# KiCad board arena_12-12_v8_ni.kicad_pcb (continued)
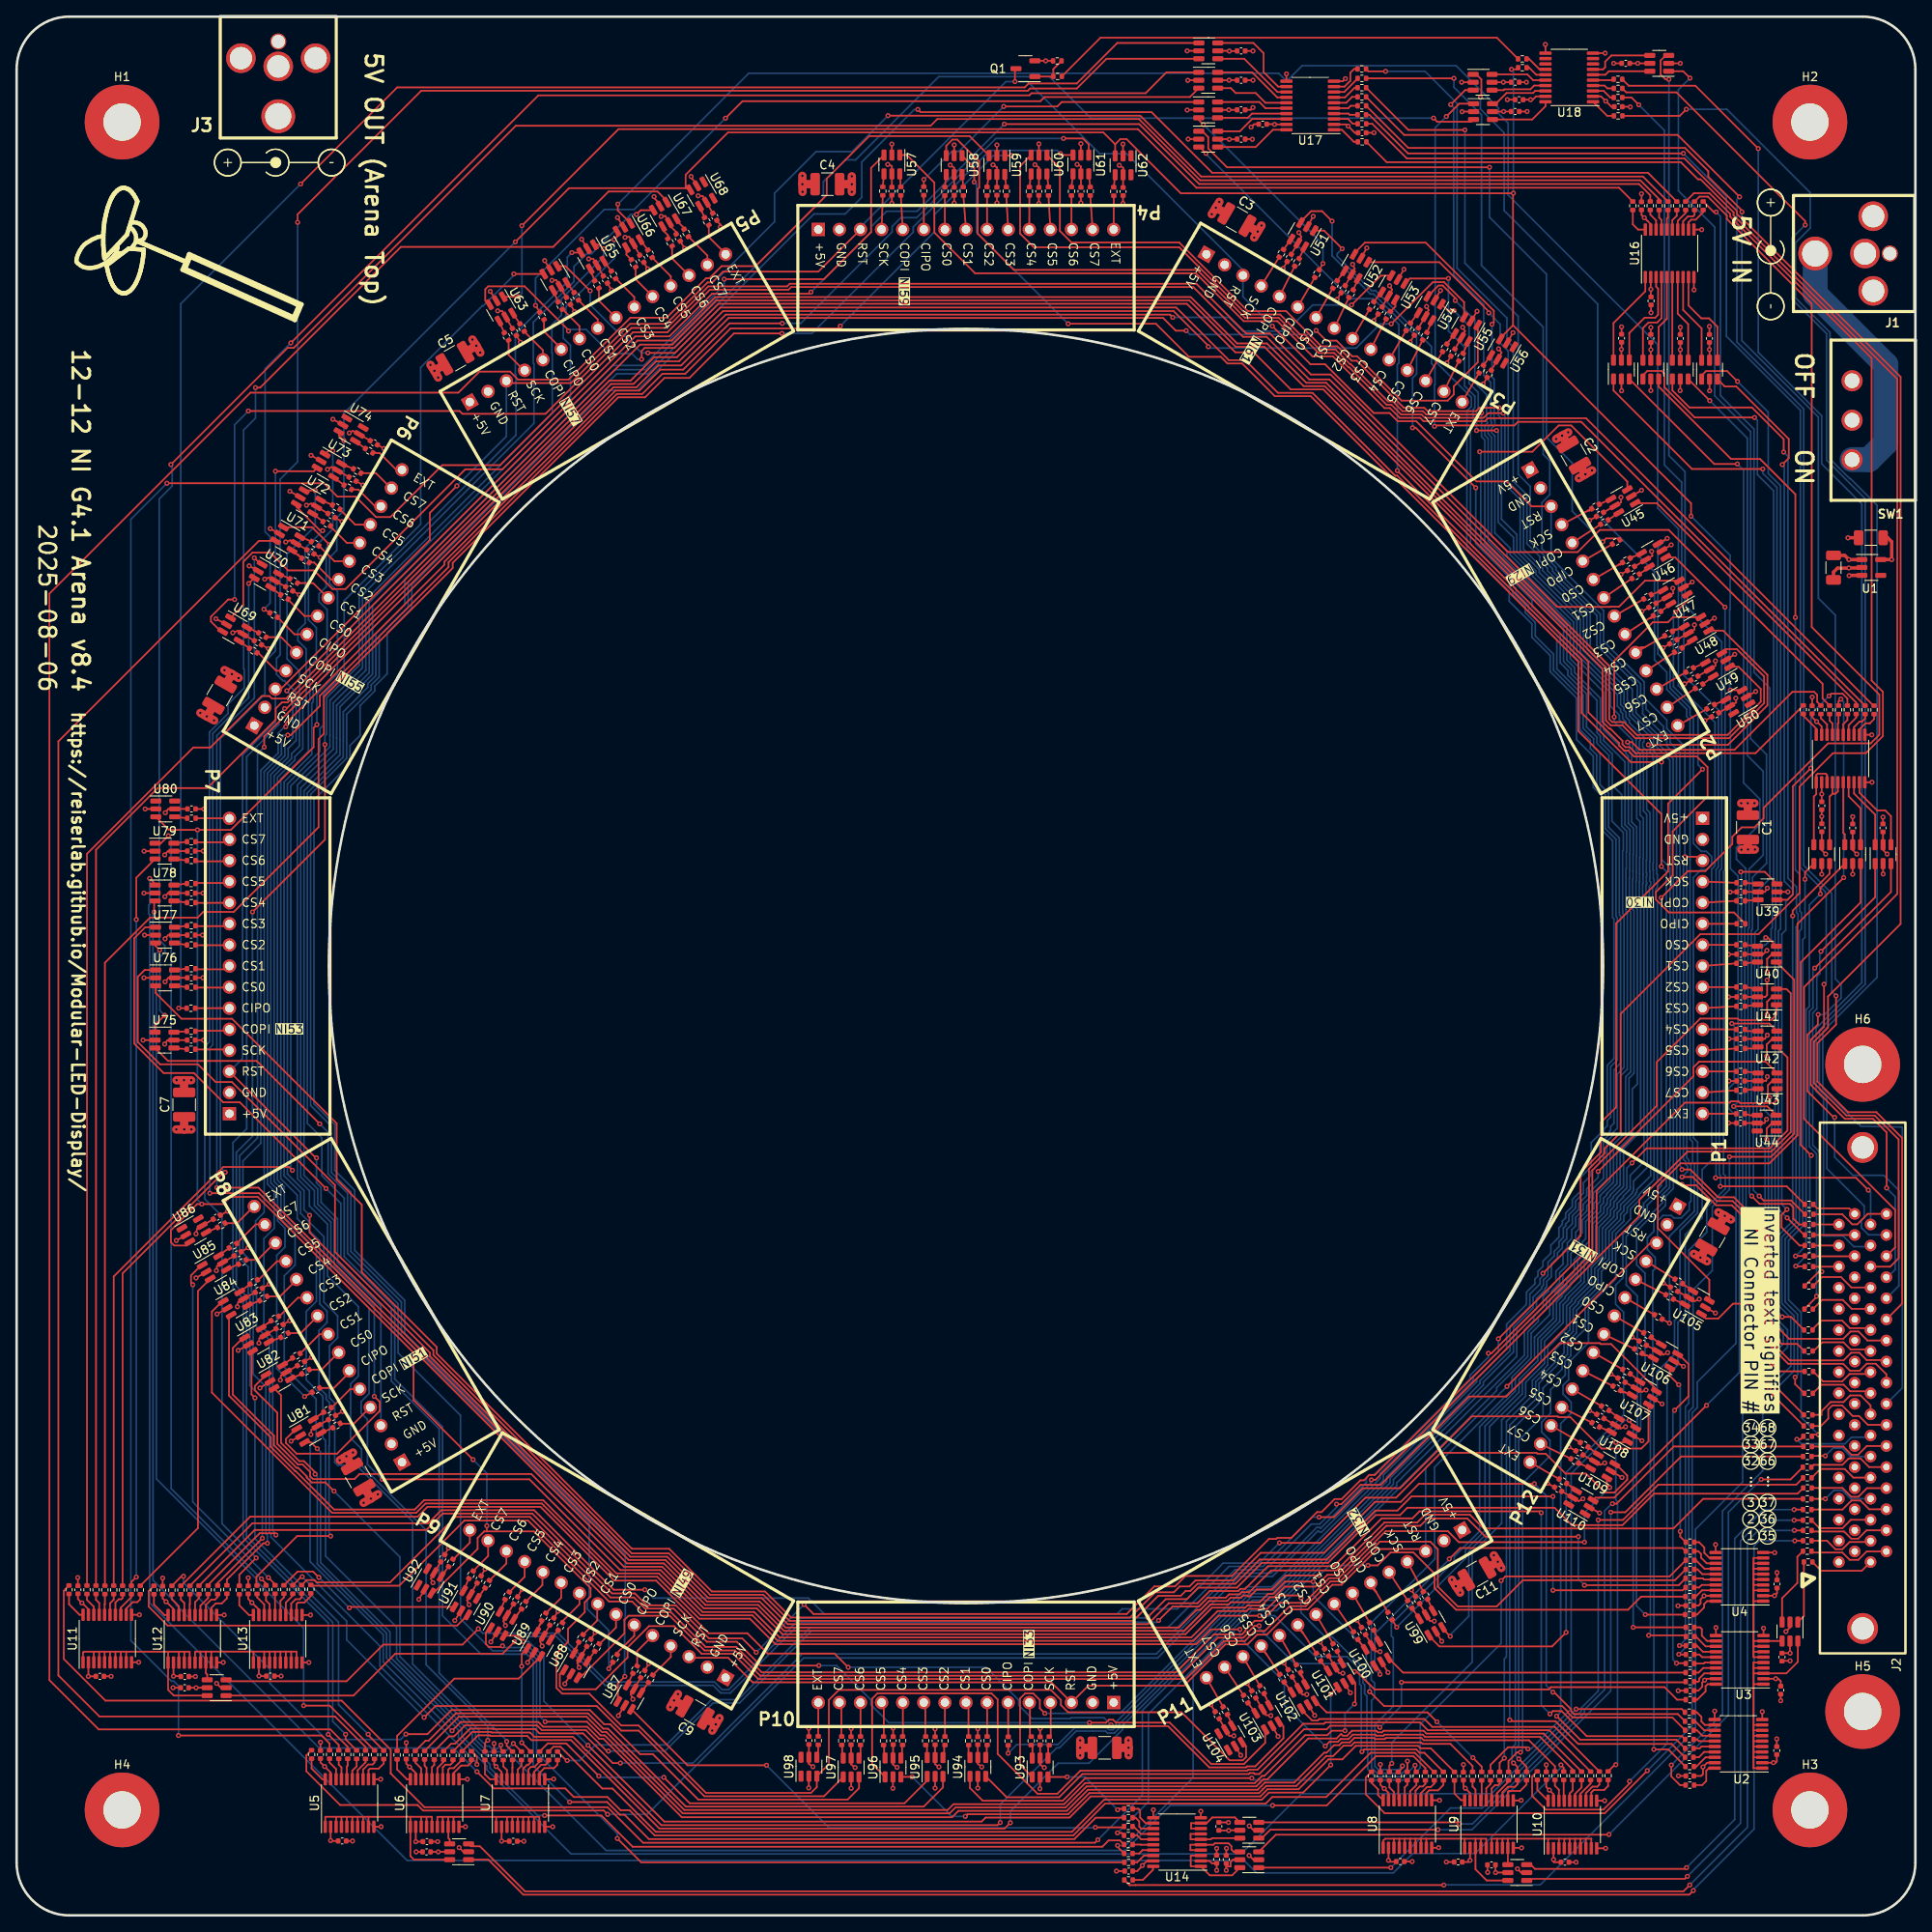
[diagram p0: board, top side]
## Routing (per net, layer and track width the routed paths; a pad name or vN(x,y) marks a point on that pad's centre or on a via; arc(x,y) is an arc through that point) (continued)
/Level Shifters/PAN5V.CS_5_P02: length 161.7
  Top w0.2: v1(181.05,19.64) 180.67,19.64 179.62,18.59 R90.1 ; U48.1 205.45,154.68 210.79,149.34 210.79,145.69 206.03,140.93 v1(196.45,140.93)
  Bottom w0.2: v1(181.05,19.64) 181.31,19.9 181.31,52.02 184.61,55.32 184.61,57.19 183.61,58.19 183.61,59.38 184.68,60.46 184.68,63.3 186.45,65.06 186.45,66.72 187.12,67.39 187.12,68.88 188.84,70.61 188.84,73.51 190.8,75.47 190.8,77.52 192.12,78.84 192.12,82.22 193.5,83.6 193.5,84.25 193.9,84.65 193.9,85.22 195.31,86.63 195.31,86.77 197.13,88.59 197.13,121.96 196.99,122.1 196.99,122.41 196.97,122.43 196.97,123.71 197.13,123.87 197.13,124.72 197.05,124.79 197.05,125.84 197.01,125.87 197.01,126.71 197.05,126.74 197.05,138.41 197.03,138.43 197.03,139.26 197.05,139.29 197.05,139.65 196.66,140.04 196.66,140.72 v1(196.45,140.93)
/Level Shifters/PAN5V.CS_5_P03: length 196.2
  Top w0.2: v1(178.17,178.77) v1(175.76,178.77) ; v1(180.22,18.34) 180.69,17.88 R91.1 ; U54.1 172.32,193.2 v1(173.04,193.2)
  Bottom w0.2: v1(175.76,178.77) 175.76,178.77 175.76,181.15 175.96,181.35 175.96,183.35 174.86,184.45 174.86,191.38 v1(173.04,193.2) ; v1(180.22,18.34) 180.05,18.51 180.05,20.2 180.44,20.59 180.44,58.87 183.29,61.72 183.29,64.07 185.64,66.42 185.64,67.05 186.31,67.72 186.31,69.22 187.4,70.3 187.4,73.01 188.04,73.65 188.04,73.84 189.99,75.8 189.99,77.86 191.31,79.18 191.31,82.55 192.7,83.93 192.7,84.58 193.1,84.99 193.1,85.55 194.51,86.96 194.51,87.1 194.66,87.26 194.66,87.54 194.66,88.39 196.33,90.06 196.33,121.63 196.19,121.77 196.19,122.08 196.17,122.1 196.17,124.04 196.25,124.13 196.25,124.34 196.21,124.38 196.21,125.05 196.25,125.09 196.25,125.5 196.21,125.54 196.21,127.04 196.25,127.08 196.25,132.58 195.86,132.97 195.86,140.03 195.37,140.51 195.37,141.34 195.48,141.45 195.48,141.54 195.46,141.56 195.46,141.73 194.84,142.34 194.84,142.34 193.76,143.41 193.76,143.7 193.36,144.1 193.36,144.68 193.11,144.92 193.11,145.2 192.71,145.61 192.71,146.98 187.85,151.85 187.85,155.9 182.52,161.23 182.52,161.69 181.77,162.43 181.77,162.44 180.22,163.99 180.22,165.88 178.37,167.73 178.37,178.57 v1(178.17,178.77)
/Level Shifters/PAN5V.CS_5_P04: length 251.3
  Top w0.2: U60.1 125.6,210.36 125.6,202.8 127,201.41 139.96,201.41 148.22,193.14 152.84,193.14 157.08,188.91 159,188.91 160.74,187.17 161.35,187.17 167.02,181.5 169.48,181.5 169.88,181.1 175.72,181.1 176.12,181.5 v1(178.48,181.5) ; v1(180.85,18.84) 181.78,17.91 R92.1
  Bottom w0.2: v1(178.48,181.5) 178.37,181.39 178.37,180.61 178.77,180.21 178.77,168.09 180.62,166.24 180.62,164.15 182.17,162.6 182.17,162.6 182.92,161.86 182.92,161.43 188.25,156.1 188.25,152.08 193.11,147.21 193.11,145.77 193.51,145.37 193.51,145.09 193.76,144.84 193.76,144.27 194.16,143.86 194.16,143.59 195.91,141.84 195.91,141.32 195.78,141.18 195.78,140.68 196.26,140.2 196.26,133.14 196.65,132.75 196.65,126.91 196.61,126.87 196.61,125.71 196.65,125.67 196.65,124.93 196.61,124.88 196.61,124.55 196.73,124.43 196.73,124.04 196.57,123.88 196.57,122.27 196.59,122.25 196.59,121.94 196.73,121.8 196.73,89.04 195.07,87.37 195.07,87.09 194.91,86.94 194.91,86.8 193.5,85.39 193.5,84.82 193.1,84.42 193.1,83.77 191.71,82.38 191.71,79.01 190.4,77.69 190.4,75.63 188.44,73.67 188.44,73.49 187.8,72.85 187.8,70.14 186.71,69.05 186.71,67.55 186.05,66.89 186.05,65.75 183.77,63.47 183.77,60.12 180.84,57.2 180.84,20.42 180.45,20.03 180.45,19.25 v1(180.85,18.84)
/Level Shifters/PAN5V.CS_5_P05: length 352.4
  Top w0.2: R93.1 182.46,16.7 182.46,14.39 184.11,12.74 191.04,12.74 194.19,15.88 v1(194.19,16.15) ; U66.1 72.38,205.25 v1(72.38,206.02)
  Bottom w0.2: v1(194.19,16.15) 198.7,20.66 198.7,64.98 200,66.28 200,71.38 200.89,72.27 200.89,81.96 202.93,84 202.93,89.78 204.08,90.93 204.08,125.98 204.48,126.38 204.48,143.64 200.07,148.05 200.07,156.39 200.32,156.65 200.32,157.15 200.07,157.4 200.07,166.93 197.57,169.43 197.57,189.12 179.57,207.13 179.57,215.78 178.42,216.93 178.42,217.57 173.3,222.69 154.77,222.69 153.17,221.1 152.63,221.1 151.95,221.78 88.14,221.78 v1(72.38,206.02)
/Level Shifters/PAN5V.CS_5_P06: length 308.6
  Top w0.2: R94.1 185.21,17.96 182.07,21.09 169.41,21.09 169.13,21.36 164.84,21.36 164.71,21.23 163.55,21.23 163.42,21.36 161.04,21.36 160.51,20.83 159.57,20.83 159.24,20.49 158.62,20.49 157.71,19.59 157.42,19.59 153.82,15.99 150.27,15.99 149.87,15.58 149.41,15.13 128.98,15.13 126.44,12.58 113.38,12.58 112.62,11.82 80.09,11.82 70.63,21.27 70.13,21.27 68.69,22.71 63.38,22.71 63.03,23.07 62.81,23.29 53.48,23.29 v1(52.42,22.23) ; U72.1 v1(35.96,171.55)
  Bottom w0.2: v1(35.96,171.55) 35.96,167.28 32.56,163.88 32.56,151.27 34.05,149.77 34.05,140.8 33.1,139.84 33.1,139.27 31,137.18 31,88.37 31.82,87.55 31.82,83.87 33.53,82.17 33.53,78.31 32.22,77 32.22,66 36.06,62.16 36.06,57.29 35.34,56.58 35.34,42.59 44.14,33.79 44.14,30.51 v1(52.42,22.23)
/Level Shifters/PAN5V.CS_5_P07: length 278.1
  Top w0.2: v1(185.91,18.12) 186.25,17.78 R95.1 ; 16.67,124.19 v1(16.02,124.84)
  Bottom w0.2: v1(185.91,18.12) 185.91,17.78 175.58,7.45 168.08,7.45 165.74,5.11 149.28,5.11 147.78,6.61 47.02,6.61 16.02,37.61 16.02,120.49 15.91,120.6 15.91,121.62 16.02,121.73 v1(16.02,124.84)
/Level Shifters/PAN5V.CS_5_P08: length 200.3
  Top w0.2: R96.1 187.34,17.56 183.41,21.49 169.57,21.49 169.3,21.76 164.67,21.76 164.54,21.63 163.71,21.63 163.58,21.76 160.88,21.76 160.34,21.23 159.51,21.23 159.5,21.24 159.42,21.24 159.07,20.89 158.06,20.89 v1(157.55,20.38) ; 24.74,73.92 23.51,72.69 23.51,62.94 37.99,48.46 48.1,48.46 49.23,49.59 63.23,49.59 63.49,49.33 63.49,49.33 72.05,40.77 77.13,40.77 82.18,35.72 88.28,35.72 91.35,32.65 142.01,32.65 143.8,34.44 v1(147.28,34.44)
  Bottom w0.2: v1(157.55,20.38) 152.63,25.3 152.63,28.08 147.28,33.42 v1(147.28,34.44)
/Level Shifters/PAN5V.CS_5_P09: length 153.3
  Top w0.2: U90.1 56.49,34.07 56.49,32.68 56.85,32.32 58.37,32.32 v1(58.5,32.45) ; R97.1 183.84,21.89 169.74,21.89 169.4,22.23 164.57,22.23 164.38,22.03 163.88,22.03 163.68,22.23 160.77,22.23 160.53,21.98 160.18,21.63 159.68,21.63 159.5,21.81 159.42,21.81 158.91,21.3 155.5,21.3 150.59,16.39 150.1,16.39 149.7,15.98 149.24,15.53 128.82,15.53 126.27,12.99 113.03,12.99 112.33,12.28 80.2,12.28 70.81,21.67 70.3,21.67 68.66,23.31 v1(63.63,23.31)
  Bottom w0.2: v1(58.5,32.45) 58.7,32.25 61.76,32.25 63,31.01 63,23.95 v1(63.63,23.31)
/Level Shifters/PAN5V.CS_5_P10: length 111.7
  Top w0.2: R98.1 184.51,22.29 169.9,22.29 168.96,23.24 157.56,23.24 157.39,23.06 154.91,23.06 149.38,17.54 148.29,17.54 148.17,17.42 128.07,17.42 125.3,14.65 122.91,14.65 118.11,19.45 118.11,25.99 117.37,26.74 103.65,26.74 103,26.09 103,18.24 U96.1
/Level Shifters/PAN5V.CS_5_P11: length 39.1
  Top w0.2: R99.1 185.18,22.7 170.44,22.7 169.49,23.64 156.83,23.64 156.65,23.47 155.97,23.47 154.68,24.76
/Level Shifters/PAN5V.CS_5_P12: length 41.6
  Top w0.2: 193.87,56.95 v1(192.53,56.95) ; R100.1 192.41,18.14 v1(192.53,18.14)
  Bottom w0.2: v1(192.53,18.14) 192.73,18.34 192.73,49.82 192.53,50.02 v1(192.53,56.95)
/Level Shifters/PAN5V.CS_6_P01: length 279.9
  Top w0.2: v1(190.41,89.57) 201.87,101.03 201.87,102.09 202.56,102.78 210.58,102.78 U43.3 ; v1(130.18,9.1) 129.83,8.75 75.42,8.75 71.14,13.03 49.1,13.03 45.04,17.09 45.04,19.95 39.13,25.86 10.69,25.86 5.68,30.87 5.68,39.09 R101.1
  Bottom w0.2: v1(190.41,89.57) 190.41,88.85 189.04,87.48 189.04,86.67 188.1,85.73 188.1,85.01 187.3,84.21 187.3,83.26 186.62,82.59 186.62,81.45 186.29,81.13 186.29,81.12 186.09,80.92 186.09,80.36 185.52,79.79 185.52,79.18 184.77,78.43 184.77,76.88 184.22,76.33 184.22,75.7 184.02,75.5 184.02,75.31 182.98,74.28 182.98,73 182.26,72.28 182.26,72.27 180.61,70.63 180.61,67.32 165.76,52.46 165.76,51.92 151.78,37.94 148.8,37.94 135.53,24.67 135.53,14.45 v1(130.18,9.1)
/Level Shifters/PAN5V.CS_6_P02: length 355.1
  Top w0.2: R102.1 8.47,127.8 21.27,140.61 23.33,140.61 29.52,146.8 30.44,146.8 30.75,146.49 32.44,146.49 75.06,189.11 78.96,189.11 84.28,194.43 141.19,194.43 146.78,188.85 150.22,188.85 154.95,184.11 157.49,184.11 191.34,150.26 191.34,143.86 191.93,143.27 193.34,143.27 194.88,141.73 206.17,141.73 210.39,145.94 210.39,149.16 207.1,152.45 205.78,152.45 U49.3
/Level Shifters/PAN5V.CS_6_P03: length 288.9
  Top w0.2: v1(165.49,191.61) 170.51,196.63 171.86,196.63 174.27,194.22 U55.3 ; v1(143.47,188.86) 143.47,188.98 139.3,193.15 85.05,193.15 79.5,187.6 76.75,187.6 73.93,184.78 71.36,184.78 32.62,146.04 31.94,146.04 31.19,145.29 31.19,143.95 22.96,135.72 16.99,135.72 9.56,128.29 R103.1
  Bottom w0.2: v1(143.47,188.86) 143.62,188.7 161.27,188.7 164.18,191.61 v1(165.49,191.61)
/Level Shifters/PAN5V.CS_6_P04: length 241.8
  Top w0.2: v1(125.67,212.1) 125.84,211.94 U61.3 ; R104.1 10.63,114.69 16.07,120.13 21.79,120.13 22.47,120.81 26.15,120.81 36.35,131.02 36.35,141.63 37,142.28 37,146.71 52.5,162.21 52.5,162.83 72.44,182.77 75.67,182.77 78,185.1 81,185.1 86.35,190.45 v1(92.15,190.45)
  Bottom w0.2: v1(92.15,190.45) 95.75,190.45 107.95,202.65 107.95,203.26 117.18,212.49 125.28,212.49 v1(125.67,212.1)
/Level Shifters/PAN5V.CS_6_P05: length 199.8
  Top w0.2: U67.3 75.14,205.29 v1(74.62,204.78) ; v1(33.2,89.7) 32.8,90.1 24.88,90.1 11.69,76.91 R105.1
  Bottom w0.2: v1(74.62,204.78) 73.95,204.78 69.23,200.05 68.64,200.05 67.1,198.51 67.1,196.7 62.21,191.8 62.21,186.88 62.28,186.8 62.28,179.64 41.64,158.99 41.64,150.2 37.72,146.28 37.72,142.04 37.72,142.04 37.72,140.7 33,135.98 33,89.9 v1(33.2,89.7)
/Level Shifters/PAN5V.CS_6_P06: length 147.6
  Top w0.2: v1(25.11,89.46) 24.93,89.46 12.76,77.3 R106.1 ; U73.3 35.78,173.87 v1(31.17,173.87)
  Bottom w0.2: v1(31.17,173.87) 31.17,152.24 29.9,150.97 29.9,147.04 24.52,141.67 24.52,90.05 v1(25.11,89.46)
/Level Shifters/PAN5V.CS_6_P07: length 88.7
  Top w0.2: U79.3 14.41,124.92 v1(14.41,119.9) ; R107.1 13.82,40.14 v1(14.41,40.73)
  Bottom w0.2: v1(14.41,40.73) v1(14.41,119.9)
/Level Shifters/PAN5V.CS_6_P08: length 40.4
  Top w0.2: U85.3 21.83,75.16 21.83,46.63 R108.1
/Level Shifters/PAN5V.CS_6_P09: length 42.7
  Top w0.2: U91.3 53.04,34.89 18.18,34.89 15.9,37.18 15.9,39.05 R109.1
/Level Shifters/PAN5V.CS_6_P10: length 100.7
  Top w0.2: R110.1 19.85,40.83 v1(20.09,40.83) ; v1(46.87,21.82) 49.45,21.82 52.36,24.72 69.02,24.72 70.73,23.02 71.45,23.02 75.06,19.42 76.59,19.42 82.06,13.94 100.05,13.94 101.42,15.31 U97.3
  Bottom w0.2: v1(20.09,40.83) 20.09,40.04 30.5,29.63 30.5,27.93 37.26,21.17 46.22,21.17 v1(46.87,21.82)
/Level Shifters/PAN5V.CS_6_P11: length 153.8
  Top w0.2: 19.8,39.69 28.11,48 48.28,48 49.46,49.18 63.07,49.18 71.95,40.3 77,40.3 83.33,33.97 87.97,33.97 90.41,31.52 98.47,31.52 v1(100.13,29.86) ; v1(131.75,22.96) 131.92,22.79 138.62,22.79 143.59,17.82 148.01,17.82 148.13,17.94 149.12,17.94 152.52,21.33 152.52,22.75 U103.3
  Bottom w0.2: v1(100.13,29.86) 116.71,29.86 120.65,25.92 120.65,25.3 122.25,23.7 126.87,23.7 126.97,23.8 130.91,23.8 v1(131.75,22.96)
/Level Shifters/PAN5V.CS_6_P12: length 195.1
  Top w0.2: R112.1 28.39,47.21 49.56,47.21 51.13,48.78 62.31,48.78 71.88,39.21 v1(75.64,39.21) ; 192.54,54.33 193.91,52.96 193.91,52.46 192.35,50.9 191.23,50.9 188.95,53.19 186.49,53.19 184.09,55.58 183.1,55.58 182.99,55.69 171.48,55.69 166.08,50.29 162.39,50.29 156.95,44.85 v1(152.03,44.85)
  Bottom w0.2: v1(152.03,44.85) 149.6,42.41 145.26,42.41 139.75,36.9 133.09,36.9 132.46,36.27 97.26,36.27 95.33,38.2 76.65,38.2 v1(75.64,39.21)
/Level Shifters/PAN5V.CS_7_P01: length 234.9
  Top w0.2: R113.1 28.67,46.41 49.33,46.41 51.3,48.38 62.07,48.38 71.69,38.76 74.44,38.76 75.86,37.34 79.36,37.34 83.35,33.35 87.37,33.35 v1(89.04,31.67) ; v1(94.8,37.43) 95.95,36.28 133.65,36.28 136.97,39.61 139.46,39.61 140.72,40.87 146.32,40.87 150.77,45.32 151.66,45.32 151.78,45.45 153.46,45.45 156.56,48.55 157.1,48.55 158.68,50.12 159.53,50.12 161.79,52.38 162.2,52.38 162.85,53.03 163.53,53.03 190.22,79.72 190.22,87.22 200.85,97.85 206.25,97.85 206.41,98.01 207.3,98.01 207.5,97.8 211.55,97.8 211.94,98.19 U43.1
  Bottom w0.2: v1(89.04,31.67) 89.04,31.67 v1(94.8,37.43)
/Level Shifters/PAN5V.CS_7_P02: length 346.2
  Top w0.2: 23.06,39.8 29.26,46 31.02,46 v1(31.22,45.8) ; v1(32.53,147.43) 32.58,147.43 74.75,189.6 78.87,189.6 84.11,194.84 141.36,194.84 146.94,189.25 150.54,189.25 155.27,184.51 157.66,184.51 191.74,150.44 191.74,144.03 192.09,143.67 193.51,143.67 195.06,142.13 205.99,142.13 209.98,146.11 209.98,147.66 207.32,150.32 U49.1
  Bottom w0.2: v1(32.53,147.43) 33.25,146.71 33.25,141.82 32.29,140.86 32.29,139.61 30.2,137.52 30.2,88.03 31.02,87.22 31.02,82.73 29.77,81.49 29.77,70.65 30.83,69.59 30.83,46.33 31.22,45.94 v1(31.22,45.8)
/Level Shifters/PAN5V.CS_7_P03: length 285.3
  Top w0.2: v1(140.8,190.79) 139.56,190.79 138.03,192.32 85.72,192.32 80,186.6 77.25,186.6 74.62,183.97 71.86,183.97 29.81,141.93 v1(29.81,140.65) ; v1(29.58,45.4) 24.2,40.02 R115.1 ; v1(156.45,190.81) 157.68,189.59 158.91,189.59 160.78,187.71 161.39,187.71 166.73,182.37 172.29,182.37 173.02,183.1 173.02,184.09 175.92,186.99 U55.1
  Bottom w0.2: v1(156.45,190.81) 155.97,190.33 141.26,190.33 v1(140.8,190.79) ; v1(29.81,140.65) 29,139.84 29,93.6 26.85,91.45 26.85,79.11 27.88,78.08 27.88,74.9 28.08,74.7 28.08,63.78 29.58,62.28 v1(29.58,45.4)
/Level Shifters/PAN5V.CS_7_P04: length 237.5
  Top w0.2: v1(32.39,143.1) 32.39,143.49 51.5,162.6 51.5,162.97 72.1,183.57 74.97,183.57 77.5,186.1 80.25,186.1 85.82,191.67 v1(92.18,191.67) ; U61.1 129.08,213.21 128.36,213.93 v1(126.04,213.93) ; R116.1 25.31,40.42 29.7,44.8 v1(30.19,44.8)
  Bottom w0.2: v1(126.04,213.93) 117.9,213.93 108.36,204.4 106.47,204.4 105.41,203.33 105.41,202.68 94.4,191.67 v1(92.18,191.67) ; v1(30.19,44.8) 30.19,45.76 30.01,45.94 30.01,63.64 28.48,65.17 28.48,74.86 28.28,75.07 28.28,78.72 27.25,79.74 27.25,90.83 29.4,92.98 29.4,137.85 31.49,139.94 31.49,142.34 32.25,143.1 v1(32.39,143.1)
/Level Shifters/PAN5V.CS_7_P05: length 210
  Top w0.2: 78.28,206.42 77.16,207.54 71.27,207.54 64.6,200.88 46.27,200.88 29.32,183.93 v1(28.75,183.93) ; v1(28.84,43.04) 26.81,41.01 R117.1
  Bottom w0.2: v1(28.84,43.04) 24.73,47.15 24.73,84.17 22.65,86.25 22.65,104.61 23.21,105.18 23.21,142.46 25.46,144.7 25.46,145.83 27.4,147.78 27.4,150.02 27.32,150.1 27.32,178.83 28.75,180.26 v1(28.75,183.93)
/Level Shifters/PAN5V.CS_7_P06: length 150.4
  Top w0.2: 28.87,39.79 28.87,40.77 33.77,45.67 v1(37.81,45.67) ; v1(38.06,176.31) 37.53,176.31 U73.1
  Bottom w0.2: v1(37.81,45.67) 37.61,45.86 37.61,56.55 37.67,56.6 37.67,61.75 37.26,62.15 37.26,62.68 36.4,63.54 36.4,70.42 37.37,71.39 37.37,72.74 36.5,73.61 36.5,81.18 33.79,83.9 33.79,86.72 31.8,88.71 31.8,136.84 35.13,140.18 35.13,146.1 35.3,146.27 35.3,150.41 36.08,151.19 36.08,155.03 35.13,155.98 35.13,163.97 38.06,166.9 v1(38.06,176.31)
/Level Shifters/PAN5V.CS_7_P07: length 97.1
  Top w0.2: v1(18.27,129.98) 17.37,129.08 U79.1 ; R119.1 30.03,39.96 v1(29.47,40.52)
  Bottom w0.2: v1(29.47,40.52) 18.61,51.38 18.61,129.65 v1(18.27,129.98)
/Level Shifters/PAN5V.CS_7_P08: length 43.1
  Top w0.2: 31.11,39.87 v1(30.32,40.66) ; 22.23,78.28 21,77.05 21,76.14 v1(21.21,75.93)
  Bottom w0.2: v1(30.32,40.66) 21.21,49.76 v1(21.21,75.93)
/Level Shifters/PAN5V.CS_7_P09: length 23
  Top w0.2: R121.1 33.83,41.4 35.68,41.4 v1(36.39,40.69) ; v1(40.05,37.03) 40.16,37.14 U91.1
  Bottom w0.2: v1(36.39,40.69) v1(40.05,37.03)
/Level Shifters/PAN5V.CS_7_P10: length 81.1
  Top w0.2: R122.1 34.28,40.77 v1(34.38,40.77) ; U97.1 97.2,14.35 82.8,14.35 74.9,22.25 72.79,22.25 69.83,25.21 50.43,25.21 v1(49.07,23.84)
  Bottom w0.2: v1(34.38,40.77) 39.74,35.41 39.74,33.16 v1(49.07,23.84)
/Level Shifters/PAN5V.CS_7_P11: length 135.2
  Top w0.2: v1(129.16,23.2) 131.14,23.2 131.5,23.56 132,23.56 132.36,23.21 138.84,23.21 143.82,18.22 147.76,18.22 150.32,20.78 U103.1 ; R123.1 34.92,40.37 35.86,40.37 36.14,40.09 44.96,40.09 52.85,47.98 61.8,47.98 71.5,38.28 74.32,38.28 75.67,36.93 79.11,36.93 83.1,32.94 86.71,32.94 89.58,30.07 v1(96.58,30.07)
  Bottom w0.2: v1(96.58,30.07) 98.72,30.07 102.87,25.93 102.87,25.33 105,23.2 v1(129.16,23.2)
/Level Shifters/PAN5V.CS_7_P12: length 180.9
  Top w0.2: U109.1 191.46,51.85 v1(191.8,51.51) ; v1(188.76,44.93) 173.63,44.93 172.32,46.25 164.82,46.25 159.17,40.6 158,40.6 155.03,37.63 152.05,37.63 149.89,35.47 149.06,35.47 147.88,34.3 147.88,34.19 147.53,33.84 144.17,33.84 139.59,29.26 89.71,29.26 86.65,32.32 82.95,32.32 78.8,36.48 75.42,36.48 74.1,37.8 71.32,37.8 61.58,47.53 53.9,47.53 46.06,39.69 35.51,39.69
  Bottom w0.2: v1(191.8,51.51) 188.76,48.48 v1(188.76,44.93)
/Level Shifters/PAN5V.EXT_INT: length 688.6
  Top w0.2: 80.89,207.95 80.55,207.95 ; 80.55,207.95 80.55,209.56 85.64,214.66 130.84,214.66 132.26,213.23 ; 80.55,207.95 66.51,207.95 v1(60.04,201.48) ; v1(36.15,143.37) 35.75,142.96 35.75,140.64 25.8,130.69 v1(21.77,130.69) 18.34,130.69 U80.3 ; 56.61,46.23 62.27,46.23 69.1,39.4 69.1,38.4 68.4,37.7 68.4,36.51 66.39,34.5 66.39,32.91 64.98,31.5 64.98,27.39 65.68,26.7 68.95,26.7 72.79,22.86 74.88,22.86 82.99,14.75 95.64,14.75 96.34,15.45 U98.3 97.79,18.22 97.79,25.94 99,27.15 124.52,27.15 125.73,25.93 125.73,25.32 126.59,24.45 140.25,24.45 146.03,18.67 147.62,18.67 148.02,19.07 148.02,20.35 U104.3 ; 56.61,46.23 56.29,46.23 55.5,45.44 55.5,44.12 50.19,38.81 ; 56.61,46.23 v1(56.61,46.9) ; U50.3 v1(206.33,147.51) ; 38.8,178.61 38.8,178.17 v1(39.4,177.57) ; U110.3 190.1,50.29 192.34,50.29 v1(203.45,61.4) ; v1(180.2,207.35) 180.18,207.32 180.16,207.32 ; 132.26,213.23 132.88,213.85 133.63,213.85 140.16,207.32 180.16,207.32 ; 132.26,213.23 U62.3 ; 180.16,207.32 180.16,191.44 ; 180.16,191.44 178.62,189.9 ; 180.16,191.44 201.59,170.01 v1(201.59,168.45) ; U86.3 20.41,80.65 18.97,80.65 18.57,81.04 18.57,82.48 21.72,85.63 v1(22.3,85.63) 24.87,85.63 25.74,86.5 29.03,86.5 47.79,67.75 47.79,62.03 v1(54.95,54.87) ; U44.3 210.77,97.4 v1(206.72,97.4) ; R157.1 180.58,222.25 v1(179.97,222.25)
  Bottom w0.2: v1(56.61,46.9) 56.61,53.21 v1(54.95,54.87) ; v1(179.97,222.25) 180.2,222.03 v1(180.2,207.35) ; v1(201.59,168.45) 206.3,163.74 206.3,157.27 206.24,157.2 206.24,147.61 v1(206.33,147.51) 206.33,126.03 207.25,125.11 207.25,97.93 v1(206.72,97.4) 207.4,96.72 207.4,65.35 v1(203.45,61.4) ; v1(21.77,130.69) 21.77,86.16 v1(22.3,85.63) ; v1(60.04,201.48) 39.4,180.84 v1(39.4,177.57) 39.4,169.12 38.54,168.27 38.54,164.34 37.67,163.47 37.67,160.38 38.63,159.42 38.63,149.48 36.15,147 v1(36.15,143.37)
/Level Shifters/PAN5V.MISO_00: length 136.9
  Top w0.2: v1(166.23,173.94) 189.23,150.93 189.23,144.83 192.94,141.12 192.94,140.83 193.52,140.24 194.01,140.24 194.73,139.52 202.29,139.52 203.58,138.24 203.58,134.71 199.38,130.52 199.38,125.23 197.35,123.2 197.35,122.31 198.92,120.75 206.75,120.75 R165.1 ; 142.43,212.9 v1(143.19,212.14)
  Bottom w0.2: v1(143.19,212.14) 143.19,212.05 160.6,194.64 163.31,194.64 166.42,191.54 166.42,186.91 166.23,186.72 v1(166.23,173.94)
/Level Shifters/PAN5V.MISO_01: length 90.2
  Top w0.2: v1(177.33,210.46) 145.72,210.46 143.46,212.71 143.46,214.09 142.75,214.8 ; v1(190.97,165.38) 191.37,165.78 192.84,165.78 R177.1
  Bottom w0.2: v1(190.97,165.38) 187.29,169.06 187.29,174.85 184.18,177.95 184.18,197.59 177.33,204.45 v1(177.33,210.46)
/Level Shifters/PAN5V.MISO_02: length 24.7
  Top w0.2: 156.81,198.09 v1(157.28,198.88) ; U29.3 142.32,216.16 v1(142.87,215.61)
  Bottom w0.2: v1(157.28,198.88) 157.28,201.2 v1(142.87,215.61)
/Level Shifters/PAN5V.MISO_03: length 37.8
  Top w0.2: v1(118.85,217.78) 125.28,217.78 125.83,218.32 U29.1 ; R201.1 v1(109.22,209)
  Bottom w0.2: v1(118.85,217.78) 113.44,212.38 112.6,212.38 v1(109.22,209)
/Level Shifters/PAN5V.MISO_04: length 93.6
  Top w0.2: R213.1 v1(62.47,193.83) ; 142.32,219.99 141.25,218.92 123.76,218.92 123.25,218.42 87.39,218.42 v1(85.35,216.37)
  Bottom w0.2: v1(62.47,193.83) 62.47,197.1 70.75,205.38 74.35,205.38 v1(85.35,216.37)
/Level Shifters/PAN5V.MISO_05: length 157.6
  Top w0.2: v1(33.02,189.32) 62.82,219.12 121.92,219.12 122.18,219.38 135.92,219.38 138.43,221.89 142.32,221.89 ; 30.51,156.81 v1(29.78,157.25)
  Bottom w0.2: v1(33.02,189.32) 29.92,186.22 29.92,166.57 30.52,165.97 30.52,157.99 v1(29.78,157.25)
/Level Shifters/PAN5V.MISO_06: length 221.4
  Top w0.2: v1(34.19,208.45) 45.82,220.08 121.37,220.08 121.84,220.55 127.63,220.55 132.52,225.43 U31.1 ; R237.1 v1(19.53,109.23)
  Bottom w0.2: v1(19.53,109.23) 19.76,109.46 19.76,194.02 v1(34.19,208.45)
/Level Shifters/PAN5V.MISO_07: length 265.6
  Top w0.2: R249.1 v1(34.67,62.48) ; U31.3 131.22,223.53 127.64,219.95 122.02,219.95 121.75,219.68 48.72,219.68 33.83,204.79 v1(33.83,203.83)
  Bottom w0.2: v1(33.83,203.83) 33.83,175.01 31.72,172.89 31.72,151.75 31.29,151.32 31.29,149.42 32.05,148.66 32.23,148.66 33.65,147.24 33.65,141.45 32.69,140.5 32.69,139.44 30.6,137.35 30.6,88.2 31.42,87.38 31.42,83.64 32.31,82.74 32.31,80.45 31.31,79.45 31.31,65.84 v1(34.67,62.48)
/Level Shifters/PAN5V.MISO_08: length 309
  Top w0.2: 71.54,30.1 v1(71.3,29.7) ; 71.54,30.1 71.79,30.35 ; 71.54,30.1 71.79,30.51 ; U36.3 175.14,215.94 171.03,215.94 v1(170.59,216.38)
  Bottom w0.2: v1(170.59,216.38) 129.33,216.38 124.33,221.37 111.02,221.37 101,211.35 99.75,211.35 97.12,208.73 97.12,206.73 76,185.6 72.25,185.6 47.13,160.48 47.13,157.52 43.65,154.04 43.65,149.09 42.68,148.13 42.68,147.56 39.73,144.61 39.73,141.21 39.73,141.21 39.73,139.3 35.4,134.97 35.4,97.5 37.9,95 37.9,89.44 40.24,87.1 40.24,79.93 46.33,73.85 46.33,69.87 68.93,47.26 68.93,38.23 68.7,38 68.7,36.9 71.3,34.3 v1(71.3,29.7)
/Level Shifters/PAN5V.MISO_09: length 249.8
  Top w0.2: R273.1 v1(119.38,19.53) ; v1(172.13,216.57) 173.67,218.12 U36.1
  Bottom w0.2: v1(172.13,216.57) 170.78,215.22 170.78,187.11 175.14,182.75 175.14,181.66 174.61,181.13 174.61,164.49 179.7,159.39 179.7,158.21 182.43,155.48 182.43,153.87 184.63,151.68 184.63,149.73 187.8,146.57 187.8,141.57 189.83,139.55 189.83,135.8 190.86,134.77 190.86,130.68 192.15,129.39 192.15,120.13 192.31,119.97 192.31,103.15 191.51,102.34 191.51,96.28 190.7,95.47 190.7,94.18 189.57,93.05 189.57,90.15 188.23,88.81 188.23,87.12 187.29,86.18 187.29,85.34 186.49,84.54 186.49,83.98 186.09,83.57 186.09,83.19 185.69,82.79 185.69,81.66 185.49,81.46 185.49,81.46 184.71,80.68 184.71,79.71 183.76,78.76 183.76,78.14 183.16,77.54 183.16,76.98 182.79,76.61 182.79,76.04 181.78,75.02 181.78,73.56 179.39,71.17 179.39,68.15 175.78,64.55 175.78,64.24 164.55,53.01 164.55,52.43 151.28,39.15 148.23,39.15 132.36,23.27 132.36,22.71 132,22.35 131.5,22.35 131.26,22.6 129.41,22.6 129.41,22.59 127.39,22.59 125.37,20.57 120.42,20.57 v1(119.38,19.53)
/Level Shifters/PAN5V.MISO_10: length 209.2
  Top w0.2: 165.61,35.59 v1(166.15,34.7) ; v1(172.65,218.01) 174.39,219.75 U37.3
  Bottom w0.2: v1(166.15,34.7) 174.43,42.98 174.43,43.98 176.79,46.34 176.79,58.91 180.88,62.99 180.88,64.51 183.14,66.77 183.14,69.43 185.39,71.68 185.39,73.85 186.03,74.48 186.03,74.67 187.03,75.68 187.03,76.1 187.93,77 187.93,78.79 188.9,79.76 188.9,80.73 189.3,81.13 189.3,83.38 190.69,84.77 190.69,85.42 191.05,85.77 191.05,86.34 191.45,86.74 191.45,86.88 192.5,87.93 192.66,88.09 192.66,88.37 192.66,92.65 194.12,94.11 194.12,100.79 194.72,101.39 194.72,120.96 194.58,121.1 194.58,121.41 194.56,121.44 194.56,124.71 194.6,124.75 194.6,125.72 194.6,125.72 194.6,127.7 194.64,127.74 194.64,130.87 194.04,131.47 194.04,139.58 193.77,139.85 193.77,140.03 191.07,142.73 191.07,147.27 187.04,151.3 187.04,155.53 181.71,160.86 181.71,161.36 180.97,162.1 180.97,162.1 179.42,163.65 179.42,164.21 177.57,166.06 177.57,177.96 177.17,178.36 177.17,179.19 177.57,179.59 177.57,179.83 177.48,179.92 177.48,181.08 177.48,181.09 177.48,184.58 176.63,185.43 176.63,193.92 173.01,197.54 173.01,217.65 v1(172.65,218.01)
/Level Shifters/PAN5V.MISO_11: length 163.6
  Top w0.2: 198.09,71.79 v1(199,71.3) ; 175.74,221.65 176.35,221.03 176.35,219.01 v1(176.23,218.9)
  Bottom w0.2: v1(176.23,218.9) 176.23,217.47 179.09,214.61 179.09,205.24 190.35,193.99 190.35,168.6 197.18,161.76 197.18,151.16 198.67,149.68 198.67,147.6 201.07,145.2 201.07,144.32 201.47,143.92 201.47,127.11 201.47,127.11 201.47,125.5 201.47,125.49 201.47,93.43 201.78,93.12 201.78,90.71 201.98,90.52 201.98,84.75 199,81.77 v1(199,71.3)
/Level Shifters/PAN5V.MOSI_00: length 31.3
  Top w0.2: U39.1 213.21,122.27 213.85,122.91 213.85,135.95 v1(216.02,138.12) ; v1(218.2,146.81) 218.48,147.08 219.84,147.08 220.42,146.5 220.42,145.66
  Bottom w0.2: v1(216.02,138.12) 216.02,144.63 v1(218.2,146.81)
/Level Shifters/PAN5V.MOSI_01: length 36.9
  Top w0.2: U45.1 197.47,170.02 221.48,146.02 221.48,145.66
/Level Shifters/PAN5V.MOSI_02: length 97.3
  Top w0.2: v1(159.59,200.65) 157.41,202.84 U51.1 ; R139.1 188.37,179.82 180.75,179.82 180.32,179.38 170.82,179.38 v1(170.71,179.27)
  Bottom w0.2: v1(170.71,179.27) 170.71,184.26 170.76,184.31 170.76,186.41 170.34,186.83 170.34,188.88 163.62,195.6 163.14,195.6 159,199.75 159,200.06 v1(159.59,200.65)
/Level Shifters/PAN5V.MOSI_03: length 148.5
  Top w0.2: U57.1 107.17,211.94 110.49,208.62 110.49,202.61 115.39,197.7 141.96,197.7 147.73,191.94 151.78,191.94 156.01,187.7 158.45,187.7 164.68,181.47 165.35,181.47 166.52,180.3 168.98,180.3 169.38,179.89 176.78,179.89 177.13,180.25 188.95,180.25 223.55,145.65
